# KiCad board modulo_seguidor-panel.kicad_pcb
title: (Panel)
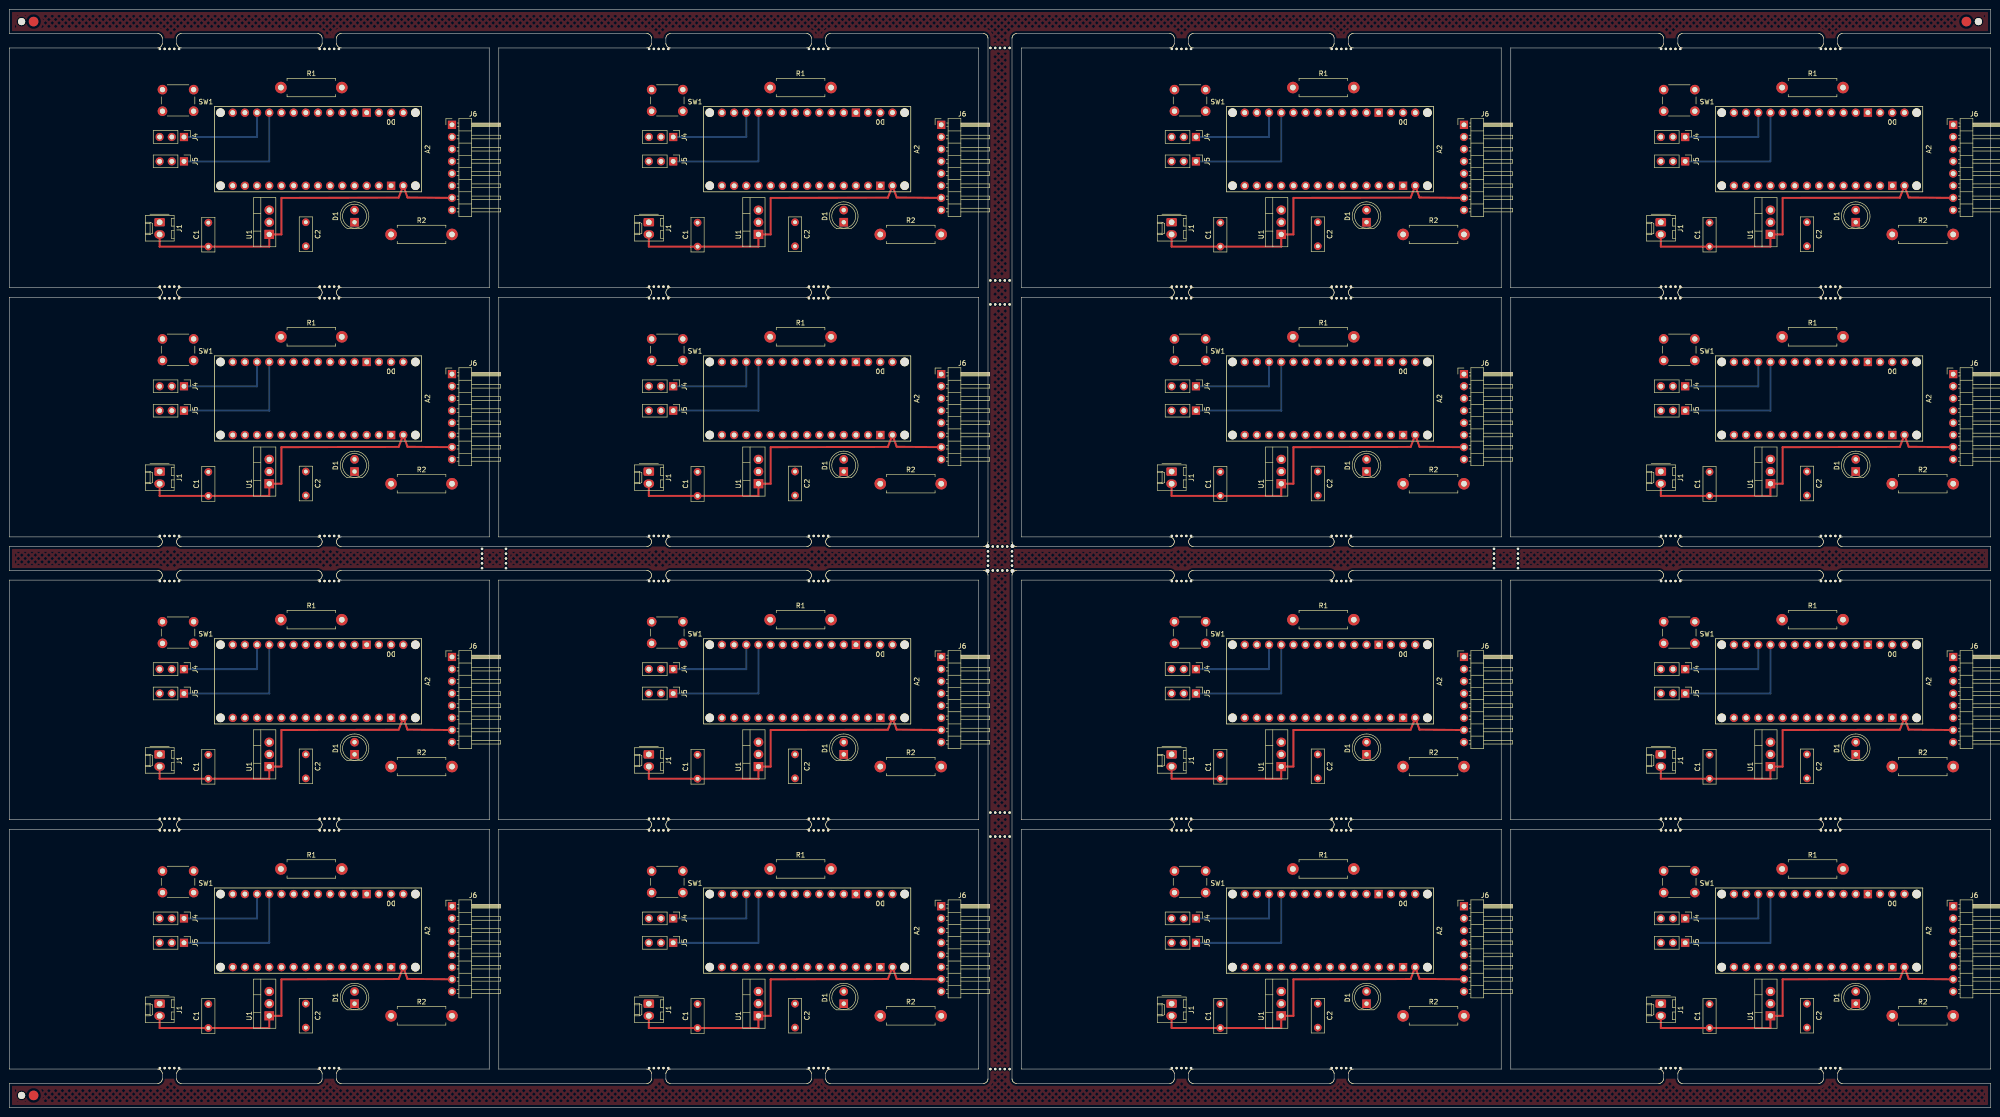
[diagram p0: board, top side]
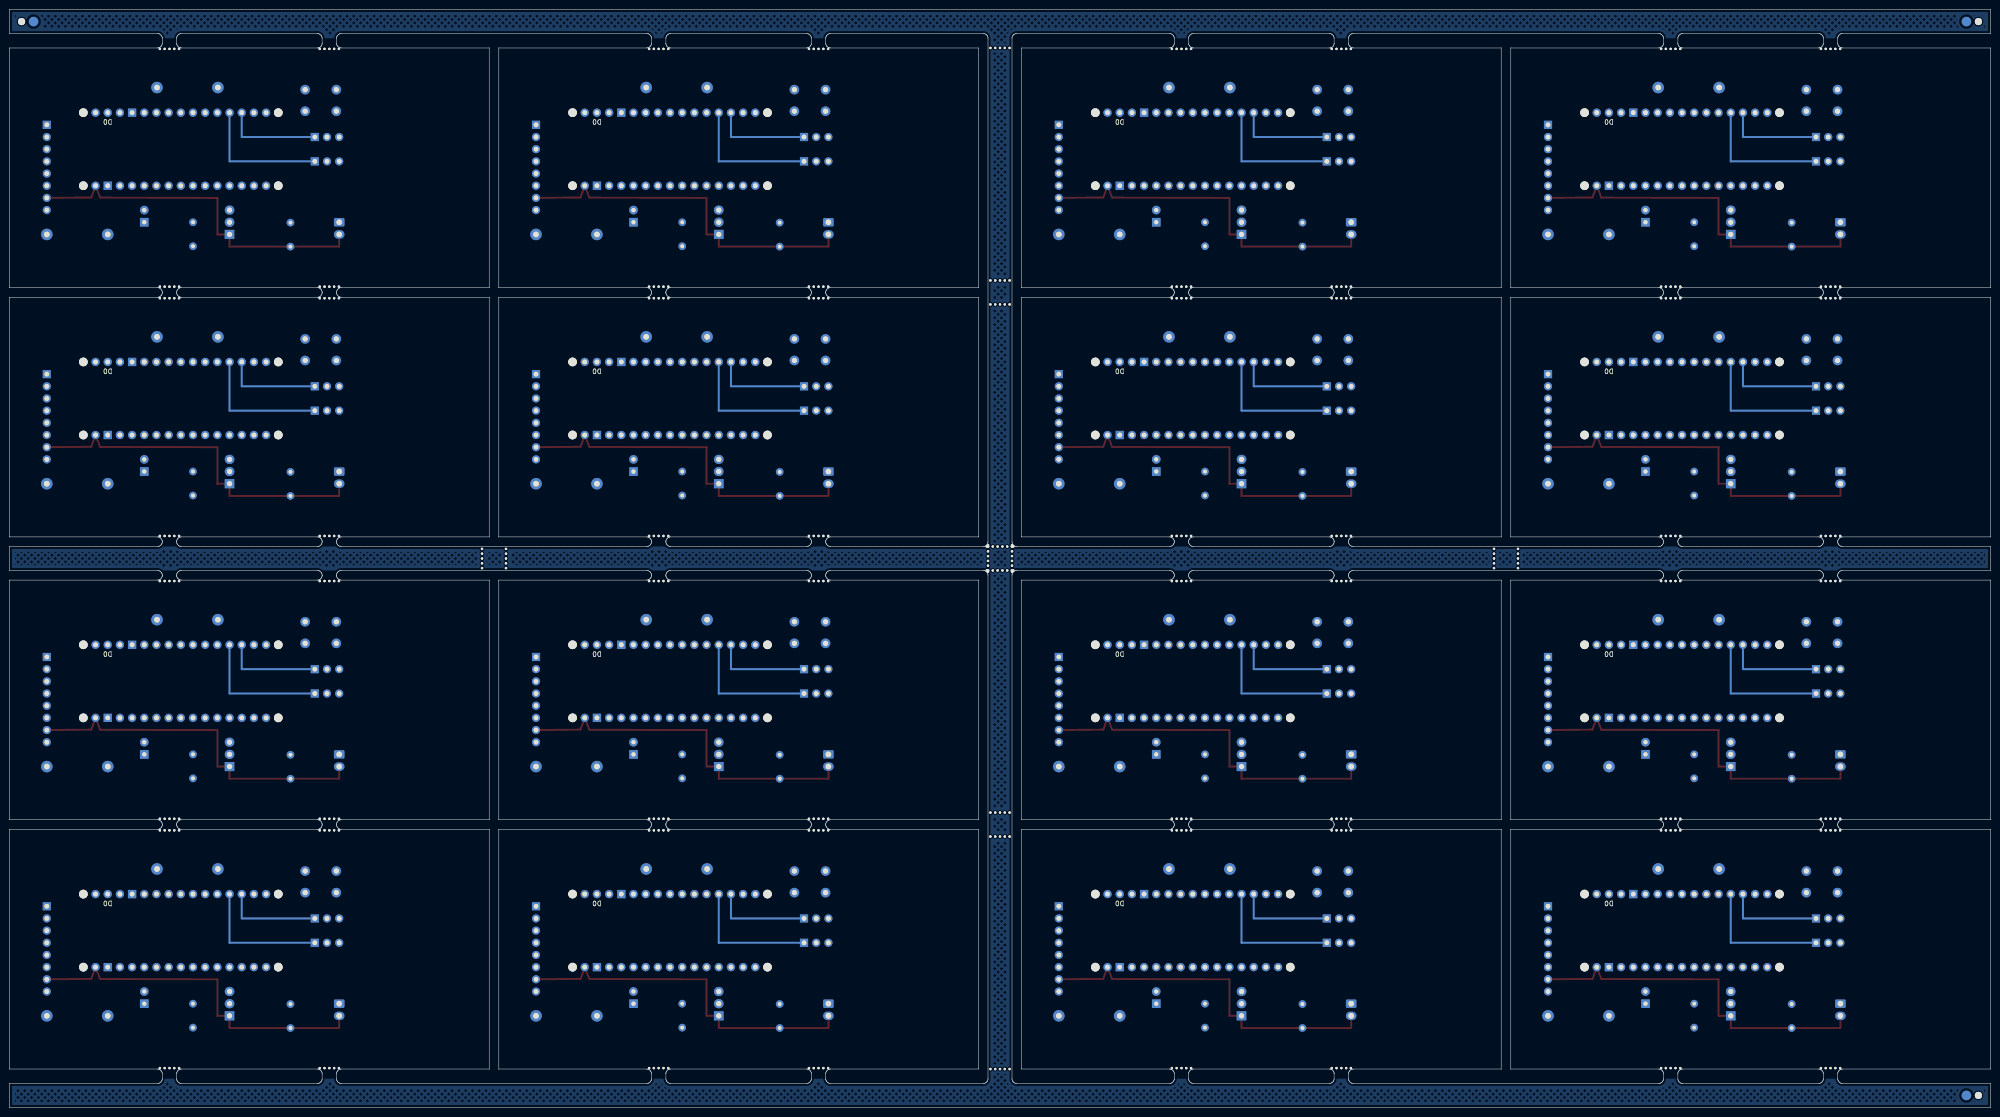
[diagram p1: board, bottom side, seen from below]

Outline 413 x 229 mm; copper layers: Top, In1.Cu, In2.Cu, In3.Cu, In4.Cu, In5.Cu, In6.Cu, In7.Cu, In8.Cu, In9.Cu, In10.Cu, Bottom. Coordinates in mm from the lower left corner of the outline.
Stack: Top 0.035mm / dielectric 0.1mm FR4 er 4.5 / In1.Cu 0.035mm / dielectric 0.112mm FR4 er 4.5 / In2.Cu 0.035mm / dielectric 0.1mm FR4 er 4.5 / In3.Cu 0.035mm / dielectric 0.112mm FR4 er 4.5 / In4.Cu 0.035mm / dielectric 0.1mm FR4 er 4.5 / In5.Cu 0.035mm / dielectric 0.112mm FR4 er 4.5 / In6.Cu 0.035mm / dielectric 0.1mm FR4 er 4.5 / In7.Cu 0.035mm / dielectric 0.112mm FR4 er 4.5 / In8.Cu 0.035mm / dielectric 0.1mm FR4 er 4.5 / In9.Cu 0.035mm / dielectric 0.112mm FR4 er 4.5 / In10.Cu 0.035mm / dielectric 0.1mm FR4 er 4.5 / Bottom 0.035mm

## Placement (name value [footprint] x y rotation side)
A2  -  [Arduino_Nano_Socket]  253.71 88.88 270 top
A2#2  -  [Arduino_Nano_Socket]  42.71 36.88 270 top
A2#3  -  [Arduino_Nano_Socket]  42.71 88.88 270 top
A2#4  -  [Arduino_Nano_Socket]  253.71 36.88 270 top
A2#5  -  [Arduino_Nano_Socket]  42.71 147.88 270 top
A2#6  -  [Arduino_Nano_Socket]  253.71 199.88 270 top
A2#7  -  [Arduino_Nano_Socket]  355.71 88.88 270 top
A2#8  -  [Arduino_Nano_Socket]  144.71 36.88 270 top
A2#9  -  [Arduino_Nano_Socket]  355.71 199.88 270 top
A2#10  -  [Arduino_Nano_Socket]  144.71 88.88 270 top
A2#11  -  [Arduino_Nano_Socket]  253.71 147.88 270 top
A2#12  -  [Arduino_Nano_Socket]  355.71 36.88 270 top
A2#13  -  [Arduino_Nano_Socket]  42.71 199.88 270 top
A2#14  -  [Arduino_Nano_Socket]  144.71 199.88 270 top
A2#15  -  [Arduino_Nano_Socket]  144.71 147.88 270 top
A2#16  -  [Arduino_Nano_Socket]  355.71 147.88 270 top
C1  1u  [C_Disc_D7.0mm_W2.5mm_P5.00mm]  252.44 68.56 90 top
C1#2  1u  [C_Disc_D7.0mm_W2.5mm_P5.00mm]  41.44 179.56 90 top
C1#3  1u  [C_Disc_D7.0mm_W2.5mm_P5.00mm]  252.44 179.56 90 top
C1#4  1u  [C_Disc_D7.0mm_W2.5mm_P5.00mm]  252.44 127.56 90 top
C1#5  1u  [C_Disc_D7.0mm_W2.5mm_P5.00mm]  143.44 179.56 90 top
C1#6  1u  [C_Disc_D7.0mm_W2.5mm_P5.00mm]  354.44 127.56 90 top
C1#7  1u  [C_Disc_D7.0mm_W2.5mm_P5.00mm]  354.44 68.56 90 top
C1#8  1u  [C_Disc_D7.0mm_W2.5mm_P5.00mm]  41.44 16.56 90 top
C1#9  1u  [C_Disc_D7.0mm_W2.5mm_P5.00mm]  143.44 127.56 90 top
C1#10  1u  [C_Disc_D7.0mm_W2.5mm_P5.00mm]  143.44 68.56 90 top
C1#11  1u  [C_Disc_D7.0mm_W2.5mm_P5.00mm]  41.44 127.56 90 top
C1#12  1u  [C_Disc_D7.0mm_W2.5mm_P5.00mm]  143.44 16.56 90 top
C1#13  1u  [C_Disc_D7.0mm_W2.5mm_P5.00mm]  354.44 179.56 90 top
C1#14  1u  [C_Disc_D7.0mm_W2.5mm_P5.00mm]  252.44 16.56 90 top
C1#15  1u  [C_Disc_D7.0mm_W2.5mm_P5.00mm]  41.44 68.56 90 top
C1#16  1u  [C_Disc_D7.0mm_W2.5mm_P5.00mm]  354.44 16.56 90 top
C2  1u  [C_Disc_D7.0mm_W2.5mm_P5.00mm]  374.76 184.64 270 top
C2#2  1u  [C_Disc_D7.0mm_W2.5mm_P5.00mm]  272.76 73.64 270 top
C2#3  1u  [C_Disc_D7.0mm_W2.5mm_P5.00mm]  374.76 132.64 270 top
C2#4  1u  [C_Disc_D7.0mm_W2.5mm_P5.00mm]  61.76 184.64 270 top
C2#5  1u  [C_Disc_D7.0mm_W2.5mm_P5.00mm]  163.76 184.64 270 top
C2#6  1u  [C_Disc_D7.0mm_W2.5mm_P5.00mm]  163.76 21.64 270 top
C2#7  1u  [C_Disc_D7.0mm_W2.5mm_P5.00mm]  163.76 73.64 270 top
C2#8  1u  [C_Disc_D7.0mm_W2.5mm_P5.00mm]  272.76 184.64 270 top
C2#9  1u  [C_Disc_D7.0mm_W2.5mm_P5.00mm]  272.76 132.64 270 top
C2#10  1u  [C_Disc_D7.0mm_W2.5mm_P5.00mm]  374.76 21.64 270 top
C2#11  1u  [C_Disc_D7.0mm_W2.5mm_P5.00mm]  374.76 73.64 270 top
C2#12  1u  [C_Disc_D7.0mm_W2.5mm_P5.00mm]  272.76 21.64 270 top
C2#13  1u  [C_Disc_D7.0mm_W2.5mm_P5.00mm]  163.76 132.64 270 top
C2#14  1u  [C_Disc_D7.0mm_W2.5mm_P5.00mm]  61.76 73.64 270 top
C2#15  1u  [C_Disc_D7.0mm_W2.5mm_P5.00mm]  61.76 132.64 270 top
C2#16  1u  [C_Disc_D7.0mm_W2.5mm_P5.00mm]  61.76 21.64 270 top
D1  LED  [LED_D5.0mm]  71.92 73.64 90 top
D1#2  LED  [LED_D5.0mm]  384.92 132.64 90 top
D1#3  LED  [LED_D5.0mm]  282.92 21.64 90 top
D1#4  LED  [LED_D5.0mm]  384.92 184.64 90 top
D1#5  LED  [LED_D5.0mm]  71.92 21.64 90 top
D1#6  LED  [LED_D5.0mm]  71.92 184.64 90 top
D1#7  LED  [LED_D5.0mm]  71.92 132.64 90 top
D1#8  LED  [LED_D5.0mm]  173.92 184.64 90 top
D1#9  LED  [LED_D5.0mm]  173.92 73.64 90 top
D1#10  LED  [LED_D5.0mm]  282.92 73.64 90 top
D1#11  LED  [LED_D5.0mm]  384.92 73.64 90 top
D1#12  LED  [LED_D5.0mm]  282.92 184.64 90 top
D1#13  LED  [LED_D5.0mm]  384.92 21.64 90 top
D1#14  LED  [LED_D5.0mm]  173.92 132.64 90 top
D1#15  LED  [LED_D5.0mm]  173.92 21.64 90 top
D1#16  LED  [LED_D5.0mm]  282.92 132.64 90 top
J1  Battery  [Molex_KK-254_AE-6410-02A_1x02_P2.54mm_Vertical]  133.28 21.64 270 top
J1#2  Battery  [Molex_KK-254_AE-6410-02A_1x02_P2.54mm_Vertical]  344.28 184.64 270 top
J1#3  Battery  [Molex_KK-254_AE-6410-02A_1x02_P2.54mm_Vertical]  31.28 21.64 270 top
J1#4  Battery  [Molex_KK-254_AE-6410-02A_1x02_P2.54mm_Vertical]  133.28 132.64 270 top
J1#5  Battery  [Molex_KK-254_AE-6410-02A_1x02_P2.54mm_Vertical]  242.28 73.64 270 top
J1#6  Battery  [Molex_KK-254_AE-6410-02A_1x02_P2.54mm_Vertical]  344.28 73.64 270 top
J1#7  Battery  [Molex_KK-254_AE-6410-02A_1x02_P2.54mm_Vertical]  31.28 73.64 270 top
J1#8  Battery  [Molex_KK-254_AE-6410-02A_1x02_P2.54mm_Vertical]  31.28 184.64 270 top
J1#9  Battery  [Molex_KK-254_AE-6410-02A_1x02_P2.54mm_Vertical]  31.28 132.64 270 top
J1#10  Battery  [Molex_KK-254_AE-6410-02A_1x02_P2.54mm_Vertical]  242.28 184.64 270 top
J1#11  Battery  [Molex_KK-254_AE-6410-02A_1x02_P2.54mm_Vertical]  242.28 21.64 270 top
J1#12  Battery  [Molex_KK-254_AE-6410-02A_1x02_P2.54mm_Vertical]  344.28 21.64 270 top
J1#13  Battery  [Molex_KK-254_AE-6410-02A_1x02_P2.54mm_Vertical]  133.28 184.64 270 top
J1#14  Battery  [Molex_KK-254_AE-6410-02A_1x02_P2.54mm_Vertical]  344.28 132.64 270 top
J1#15  Battery  [Molex_KK-254_AE-6410-02A_1x02_P2.54mm_Vertical]  242.28 132.64 270 top
J1#16  Battery  [Molex_KK-254_AE-6410-02A_1x02_P2.54mm_Vertical]  133.28 73.64 270 top
J4  Motor Izquierdo  [PinHeader_1x03_P2.54mm_Vertical]  36.36 91.42 270 top
J4#2  Motor Izquierdo  [PinHeader_1x03_P2.54mm_Vertical]  247.36 202.42 270 top
J4#3  Motor Izquierdo  [PinHeader_1x03_P2.54mm_Vertical]  36.36 39.42 270 top
J4#4  Motor Izquierdo  [PinHeader_1x03_P2.54mm_Vertical]  247.36 39.42 270 top
J4#5  Motor Izquierdo  [PinHeader_1x03_P2.54mm_Vertical]  247.36 91.42 270 top
J4#6  Motor Izquierdo  [PinHeader_1x03_P2.54mm_Vertical]  349.36 91.42 270 top
J4#7  Motor Izquierdo  [PinHeader_1x03_P2.54mm_Vertical]  349.36 39.42 270 top
J4#8  Motor Izquierdo  [PinHeader_1x03_P2.54mm_Vertical]  138.36 91.42 270 top
J4#9  Motor Izquierdo  [PinHeader_1x03_P2.54mm_Vertical]  138.36 39.42 270 top
J4#10  Motor Izquierdo  [PinHeader_1x03_P2.54mm_Vertical]  36.36 150.42 270 top
J4#11  Motor Izquierdo  [PinHeader_1x03_P2.54mm_Vertical]  349.36 202.42 270 top
J4#12  Motor Izquierdo  [PinHeader_1x03_P2.54mm_Vertical]  349.36 150.42 270 top
J4#13  Motor Izquierdo  [PinHeader_1x03_P2.54mm_Vertical]  36.36 202.42 270 top
J4#14  Motor Izquierdo  [PinHeader_1x03_P2.54mm_Vertical]  138.36 150.42 270 top
J4#15  Motor Izquierdo  [PinHeader_1x03_P2.54mm_Vertical]  247.36 150.42 270 top
J4#16  Motor Izquierdo  [PinHeader_1x03_P2.54mm_Vertical]  138.36 202.42 270 top
J5  Motor Derecho  [PinHeader_1x03_P2.54mm_Vertical]  138.36 145.34 270 top
J5#2  Motor Derecho  [PinHeader_1x03_P2.54mm_Vertical]  247.36 145.34 270 top
J5#3  Motor Derecho  [PinHeader_1x03_P2.54mm_Vertical]  349.36 34.34 270 top
J5#4  Motor Derecho  [PinHeader_1x03_P2.54mm_Vertical]  138.36 197.34 270 top
J5#5  Motor Derecho  [PinHeader_1x03_P2.54mm_Vertical]  349.36 86.34 270 top
J5#6  Motor Derecho  [PinHeader_1x03_P2.54mm_Vertical]  247.36 197.34 270 top
J5#7  Motor Derecho  [PinHeader_1x03_P2.54mm_Vertical]  247.36 34.34 270 top
J5#8  Motor Derecho  [PinHeader_1x03_P2.54mm_Vertical]  36.36 197.34 270 top
J5#9  Motor Derecho  [PinHeader_1x03_P2.54mm_Vertical]  36.36 34.34 270 top
J5#10  Motor Derecho  [PinHeader_1x03_P2.54mm_Vertical]  36.36 86.34 270 top
J5#11  Motor Derecho  [PinHeader_1x03_P2.54mm_Vertical]  247.36 86.34 270 top
J5#12  Motor Derecho  [PinHeader_1x03_P2.54mm_Vertical]  349.36 145.34 270 top
J5#13  Motor Derecho  [PinHeader_1x03_P2.54mm_Vertical]  349.36 197.34 270 top
J5#14  Motor Derecho  [PinHeader_1x03_P2.54mm_Vertical]  138.36 86.34 270 top
J5#15  Motor Derecho  [PinHeader_1x03_P2.54mm_Vertical]  138.36 34.34 270 top
J5#16  Motor Derecho  [PinHeader_1x03_P2.54mm_Vertical]  36.36 145.34 270 top
J6  puerto sensores  [PinHeader_1x08_P2.54mm_Horizontal]  194.24 204.96 0 top
J6#2  puerto sensores  [PinHeader_1x08_P2.54mm_Horizontal]  92.24 93.96 0 top
J6#3  puerto sensores  [PinHeader_1x08_P2.54mm_Horizontal]  303.24 93.96 0 top
J6#4  puerto sensores  [PinHeader_1x08_P2.54mm_Horizontal]  405.24 152.96 0 top
J6#5  puerto sensores  [PinHeader_1x08_P2.54mm_Horizontal]  194.24 152.96 0 top
J6#6  puerto sensores  [PinHeader_1x08_P2.54mm_Horizontal]  194.24 41.96 0 top
J6#7  puerto sensores  [PinHeader_1x08_P2.54mm_Horizontal]  303.24 41.96 0 top
J6#8  puerto sensores  [PinHeader_1x08_P2.54mm_Horizontal]  303.24 152.96 0 top
J6#9  puerto sensores  [PinHeader_1x08_P2.54mm_Horizontal]  303.24 204.96 0 top
J6#10  puerto sensores  [PinHeader_1x08_P2.54mm_Horizontal]  194.24 93.96 0 top
J6#11  puerto sensores  [PinHeader_1x08_P2.54mm_Horizontal]  405.24 204.96 0 top
J6#12  puerto sensores  [PinHeader_1x08_P2.54mm_Horizontal]  92.24 152.96 0 top
J6#13  puerto sensores  [PinHeader_1x08_P2.54mm_Horizontal]  92.24 204.96 0 top
J6#14  puerto sensores  [PinHeader_1x08_P2.54mm_Horizontal]  405.24 93.96 0 top
J6#15  puerto sensores  [PinHeader_1x08_P2.54mm_Horizontal]  405.24 41.96 0 top
J6#16  puerto sensores  [PinHeader_1x08_P2.54mm_Horizontal]  92.24 41.96 0 top
KiKit_FID_B_1  -  [Fiducial]  5 226.5 180 bottom
KiKit_FID_B_2  -  [Fiducial]  408 226.5 180 bottom
KiKit_FID_B_3  -  [Fiducial]  5 2.5 180 bottom
KiKit_FID_T_1  -  [Fiducial]  5 226.5 0 top
KiKit_FID_T_2  -  [Fiducial]  408 226.5 0 top
KiKit_FID_T_3  -  [Fiducial]  5 2.5 0 top
KiKit_MB_1_1  -  [NPTH]  31.33 220.8 0 top
KiKit_MB_1_2  -  [NPTH]  32.33 220.8 0 top
KiKit_MB_1_3  -  [NPTH]  33.33 220.8 0 top
KiKit_MB_1_4  -  [NPTH]  34.33 220.8 0 top
KiKit_MB_1_5  -  [NPTH]  35.33 220.8 0 top
KiKit_MB_2_1  -  [NPTH]  64.67 220.8 0 top
KiKit_MB_2_2  -  [NPTH]  65.67 220.8 0 top
KiKit_MB_2_3  -  [NPTH]  66.67 220.8 0 top
KiKit_MB_2_4  -  [NPTH]  67.67 220.8 0 top
KiKit_MB_2_5  -  [NPTH]  68.67 220.8 0 top
KiKit_MB_3_1  -  [NPTH]  35.33 171.2 0 top
KiKit_MB_3_2  -  [NPTH]  34.33 171.2 0 top
KiKit_MB_3_3  -  [NPTH]  33.33 171.2 0 top
KiKit_MB_3_4  -  [NPTH]  32.33 171.2 0 top
KiKit_MB_3_5  -  [NPTH]  31.33 171.2 0 top
KiKit_MB_4_1  -  [NPTH]  68.67 171.2 0 top
KiKit_MB_4_2  -  [NPTH]  67.67 171.2 0 top
KiKit_MB_4_3  -  [NPTH]  66.67 171.2 0 top
KiKit_MB_4_4  -  [NPTH]  65.67 171.2 0 top
KiKit_MB_4_5  -  [NPTH]  64.67 171.2 0 top
KiKit_MB_5_1  -  [NPTH]  133.33 220.8 0 top
KiKit_MB_5_2  -  [NPTH]  134.33 220.8 0 top
KiKit_MB_5_3  -  [NPTH]  135.33 220.8 0 top
KiKit_MB_5_4  -  [NPTH]  136.33 220.8 0 top
KiKit_MB_5_5  -  [NPTH]  137.33 220.8 0 top
KiKit_MB_6_1  -  [NPTH]  166.67 220.8 0 top
KiKit_MB_6_2  -  [NPTH]  167.67 220.8 0 top
KiKit_MB_6_3  -  [NPTH]  168.67 220.8 0 top
KiKit_MB_6_4  -  [NPTH]  169.67 220.8 0 top
KiKit_MB_6_5  -  [NPTH]  170.67 220.8 0 top
KiKit_MB_7_1  -  [NPTH]  137.33 171.2 0 top
KiKit_MB_7_2  -  [NPTH]  136.33 171.2 0 top
KiKit_MB_7_3  -  [NPTH]  135.33 171.2 0 top
KiKit_MB_7_4  -  [NPTH]  134.33 171.2 0 top
KiKit_MB_7_5  -  [NPTH]  133.33 171.2 0 top
KiKit_MB_8_1  -  [NPTH]  170.67 171.2 0 top
KiKit_MB_8_2  -  [NPTH]  169.67 171.2 0 top
KiKit_MB_8_3  -  [NPTH]  168.67 171.2 0 top
KiKit_MB_8_4  -  [NPTH]  167.67 171.2 0 top
KiKit_MB_8_5  -  [NPTH]  166.67 171.2 0 top
KiKit_MB_9_1  -  [NPTH]  242.33 220.8 0 top
KiKit_MB_9_2  -  [NPTH]  243.33 220.8 0 top
KiKit_MB_9_3  -  [NPTH]  244.33 220.8 0 top
KiKit_MB_9_4  -  [NPTH]  245.33 220.8 0 top
KiKit_MB_9_5  -  [NPTH]  246.33 220.8 0 top
KiKit_MB_10_1  -  [NPTH]  275.67 220.8 0 top
KiKit_MB_10_2  -  [NPTH]  276.67 220.8 0 top
KiKit_MB_10_3  -  [NPTH]  277.67 220.8 0 top
KiKit_MB_10_4  -  [NPTH]  278.67 220.8 0 top
KiKit_MB_10_5  -  [NPTH]  279.67 220.8 0 top
KiKit_MB_11_1  -  [NPTH]  246.33 171.2 0 top
KiKit_MB_11_2  -  [NPTH]  245.33 171.2 0 top
KiKit_MB_11_3  -  [NPTH]  244.33 171.2 0 top
KiKit_MB_11_4  -  [NPTH]  243.33 171.2 0 top
KiKit_MB_11_5  -  [NPTH]  242.33 171.2 0 top
KiKit_MB_12_1  -  [NPTH]  279.67 171.2 0 top
KiKit_MB_12_2  -  [NPTH]  278.67 171.2 0 top
KiKit_MB_12_3  -  [NPTH]  277.67 171.2 0 top
KiKit_MB_12_4  -  [NPTH]  276.67 171.2 0 top
KiKit_MB_12_5  -  [NPTH]  275.67 171.2 0 top
KiKit_MB_13_1  -  [NPTH]  344.33 220.8 0 top
KiKit_MB_13_2  -  [NPTH]  345.33 220.8 0 top
KiKit_MB_13_3  -  [NPTH]  346.33 220.8 0 top
KiKit_MB_13_4  -  [NPTH]  347.33 220.8 0 top
KiKit_MB_13_5  -  [NPTH]  348.33 220.8 0 top
KiKit_MB_14_1  -  [NPTH]  377.67 220.8 0 top
KiKit_MB_14_2  -  [NPTH]  378.67 220.8 0 top
KiKit_MB_14_3  -  [NPTH]  379.67 220.8 0 top
KiKit_MB_14_4  -  [NPTH]  380.67 220.8 0 top
KiKit_MB_14_5  -  [NPTH]  381.67 220.8 0 top
KiKit_MB_15_1  -  [NPTH]  348.33 171.2 0 top
KiKit_MB_15_2  -  [NPTH]  347.33 171.2 0 top
KiKit_MB_15_3  -  [NPTH]  346.33 171.2 0 top
KiKit_MB_15_4  -  [NPTH]  345.33 171.2 0 top
KiKit_MB_15_5  -  [NPTH]  344.33 171.2 0 top
KiKit_MB_16_1  -  [NPTH]  381.67 171.2 0 top
KiKit_MB_16_2  -  [NPTH]  380.67 171.2 0 top
KiKit_MB_16_3  -  [NPTH]  379.67 171.2 0 top
KiKit_MB_16_4  -  [NPTH]  378.67 171.2 0 top
KiKit_MB_16_5  -  [NPTH]  377.67 171.2 0 top
KiKit_MB_17_1  -  [NPTH]  31.33 168.8 0 top
KiKit_MB_17_2  -  [NPTH]  32.33 168.8 0 top
KiKit_MB_17_3  -  [NPTH]  33.33 168.8 0 top
KiKit_MB_17_4  -  [NPTH]  34.33 168.8 0 top
KiKit_MB_17_5  -  [NPTH]  35.33 168.8 0 top
KiKit_MB_18_1  -  [NPTH]  64.67 168.8 0 top
KiKit_MB_18_2  -  [NPTH]  65.67 168.8 0 top
KiKit_MB_18_3  -  [NPTH]  66.67 168.8 0 top
KiKit_MB_18_4  -  [NPTH]  67.67 168.8 0 top
KiKit_MB_18_5  -  [NPTH]  68.67 168.8 0 top
KiKit_MB_19_1  -  [NPTH]  35.33 119.2 0 top
KiKit_MB_19_2  -  [NPTH]  34.33 119.2 0 top
KiKit_MB_19_3  -  [NPTH]  33.33 119.2 0 top
KiKit_MB_19_4  -  [NPTH]  32.33 119.2 0 top
KiKit_MB_19_5  -  [NPTH]  31.33 119.2 0 top
KiKit_MB_20_1  -  [NPTH]  68.67 119.2 0 top
KiKit_MB_20_2  -  [NPTH]  67.67 119.2 0 top
KiKit_MB_20_3  -  [NPTH]  66.67 119.2 0 top
KiKit_MB_20_4  -  [NPTH]  65.67 119.2 0 top
KiKit_MB_20_5  -  [NPTH]  64.67 119.2 0 top
KiKit_MB_21_1  -  [NPTH]  133.33 168.8 0 top
KiKit_MB_21_2  -  [NPTH]  134.33 168.8 0 top
KiKit_MB_21_3  -  [NPTH]  135.33 168.8 0 top
KiKit_MB_21_4  -  [NPTH]  136.33 168.8 0 top
KiKit_MB_21_5  -  [NPTH]  137.33 168.8 0 top
KiKit_MB_22_1  -  [NPTH]  166.67 168.8 0 top
KiKit_MB_22_2  -  [NPTH]  167.67 168.8 0 top
KiKit_MB_22_3  -  [NPTH]  168.67 168.8 0 top
KiKit_MB_22_4  -  [NPTH]  169.67 168.8 0 top
KiKit_MB_22_5  -  [NPTH]  170.67 168.8 0 top
KiKit_MB_23_1  -  [NPTH]  137.33 119.2 0 top
KiKit_MB_23_2  -  [NPTH]  136.33 119.2 0 top
KiKit_MB_23_3  -  [NPTH]  135.33 119.2 0 top
KiKit_MB_23_4  -  [NPTH]  134.33 119.2 0 top
KiKit_MB_23_5  -  [NPTH]  133.33 119.2 0 top
KiKit_MB_24_1  -  [NPTH]  170.67 119.2 0 top
KiKit_MB_24_2  -  [NPTH]  169.67 119.2 0 top
KiKit_MB_24_3  -  [NPTH]  168.67 119.2 0 top
KiKit_MB_24_4  -  [NPTH]  167.67 119.2 0 top
KiKit_MB_24_5  -  [NPTH]  166.67 119.2 0 top
KiKit_MB_25_1  -  [NPTH]  242.33 168.8 0 top
KiKit_MB_25_2  -  [NPTH]  243.33 168.8 0 top
KiKit_MB_25_3  -  [NPTH]  244.33 168.8 0 top
KiKit_MB_25_4  -  [NPTH]  245.33 168.8 0 top
KiKit_MB_25_5  -  [NPTH]  246.33 168.8 0 top
KiKit_MB_26_1  -  [NPTH]  275.67 168.8 0 top
KiKit_MB_26_2  -  [NPTH]  276.67 168.8 0 top
KiKit_MB_26_3  -  [NPTH]  277.67 168.8 0 top
KiKit_MB_26_4  -  [NPTH]  278.67 168.8 0 top
KiKit_MB_26_5  -  [NPTH]  279.67 168.8 0 top
KiKit_MB_27_1  -  [NPTH]  246.33 119.2 0 top
KiKit_MB_27_2  -  [NPTH]  245.33 119.2 0 top
KiKit_MB_27_3  -  [NPTH]  244.33 119.2 0 top
KiKit_MB_27_4  -  [NPTH]  243.33 119.2 0 top
KiKit_MB_27_5  -  [NPTH]  242.33 119.2 0 top
KiKit_MB_28_1  -  [NPTH]  279.67 119.2 0 top
KiKit_MB_28_2  -  [NPTH]  278.67 119.2 0 top
KiKit_MB_28_3  -  [NPTH]  277.67 119.2 0 top
KiKit_MB_28_4  -  [NPTH]  276.67 119.2 0 top
KiKit_MB_28_5  -  [NPTH]  275.67 119.2 0 top
KiKit_MB_29_1  -  [NPTH]  344.33 168.8 0 top
KiKit_MB_29_2  -  [NPTH]  345.33 168.8 0 top
KiKit_MB_29_3  -  [NPTH]  346.33 168.8 0 top
KiKit_MB_29_4  -  [NPTH]  347.33 168.8 0 top
KiKit_MB_29_5  -  [NPTH]  348.33 168.8 0 top
KiKit_MB_30_1  -  [NPTH]  377.67 168.8 0 top
KiKit_MB_30_2  -  [NPTH]  378.67 168.8 0 top
KiKit_MB_30_3  -  [NPTH]  379.67 168.8 0 top
KiKit_MB_30_4  -  [NPTH]  380.67 168.8 0 top
KiKit_MB_30_5  -  [NPTH]  381.67 168.8 0 top
KiKit_MB_31_1  -  [NPTH]  348.33 119.2 0 top
KiKit_MB_31_2  -  [NPTH]  347.33 119.2 0 top
KiKit_MB_31_3  -  [NPTH]  346.33 119.2 0 top
KiKit_MB_31_4  -  [NPTH]  345.33 119.2 0 top
KiKit_MB_31_5  -  [NPTH]  344.33 119.2 0 top
KiKit_MB_32_1  -  [NPTH]  381.67 119.2 0 top
KiKit_MB_32_2  -  [NPTH]  380.67 119.2 0 top
KiKit_MB_32_3  -  [NPTH]  379.67 119.2 0 top
KiKit_MB_32_4  -  [NPTH]  378.67 119.2 0 top
KiKit_MB_32_5  -  [NPTH]  377.67 119.2 0 top
KiKit_MB_33_1  -  [NPTH]  31.33 109.8 0 top
KiKit_MB_33_2  -  [NPTH]  32.33 109.8 0 top
KiKit_MB_33_3  -  [NPTH]  33.33 109.8 0 top
KiKit_MB_33_4  -  [NPTH]  34.33 109.8 0 top
KiKit_MB_33_5  -  [NPTH]  35.33 109.8 0 top
KiKit_MB_34_1  -  [NPTH]  64.67 109.8 0 top
KiKit_MB_34_2  -  [NPTH]  65.67 109.8 0 top
KiKit_MB_34_3  -  [NPTH]  66.67 109.8 0 top
KiKit_MB_34_4  -  [NPTH]  67.67 109.8 0 top
KiKit_MB_34_5  -  [NPTH]  68.67 109.8 0 top
KiKit_MB_35_1  -  [NPTH]  35.33 60.2 0 top
KiKit_MB_35_2  -  [NPTH]  34.33 60.2 0 top
KiKit_MB_35_3  -  [NPTH]  33.33 60.2 0 top
KiKit_MB_35_4  -  [NPTH]  32.33 60.2 0 top
KiKit_MB_35_5  -  [NPTH]  31.33 60.2 0 top
KiKit_MB_36_1  -  [NPTH]  68.67 60.2 0 top
KiKit_MB_36_2  -  [NPTH]  67.67 60.2 0 top
KiKit_MB_36_3  -  [NPTH]  66.67 60.2 0 top
KiKit_MB_36_4  -  [NPTH]  65.67 60.2 0 top
KiKit_MB_36_5  -  [NPTH]  64.67 60.2 0 top
KiKit_MB_37_1  -  [NPTH]  133.33 109.8 0 top
KiKit_MB_37_2  -  [NPTH]  134.33 109.8 0 top
KiKit_MB_37_3  -  [NPTH]  135.33 109.8 0 top
KiKit_MB_37_4  -  [NPTH]  136.33 109.8 0 top
KiKit_MB_37_5  -  [NPTH]  137.33 109.8 0 top
KiKit_MB_38_1  -  [NPTH]  166.67 109.8 0 top
KiKit_MB_38_2  -  [NPTH]  167.67 109.8 0 top
KiKit_MB_38_3  -  [NPTH]  168.67 109.8 0 top
KiKit_MB_38_4  -  [NPTH]  169.67 109.8 0 top
KiKit_MB_38_5  -  [NPTH]  170.67 109.8 0 top
KiKit_MB_39_1  -  [NPTH]  137.33 60.2 0 top
KiKit_MB_39_2  -  [NPTH]  136.33 60.2 0 top
KiKit_MB_39_3  -  [NPTH]  135.33 60.2 0 top
KiKit_MB_39_4  -  [NPTH]  134.33 60.2 0 top
KiKit_MB_39_5  -  [NPTH]  133.33 60.2 0 top
KiKit_MB_40_1  -  [NPTH]  170.67 60.2 0 top
KiKit_MB_40_2  -  [NPTH]  169.67 60.2 0 top
KiKit_MB_40_3  -  [NPTH]  168.67 60.2 0 top
KiKit_MB_40_4  -  [NPTH]  167.67 60.2 0 top
KiKit_MB_40_5  -  [NPTH]  166.67 60.2 0 top
KiKit_MB_41_1  -  [NPTH]  242.33 109.8 0 top
KiKit_MB_41_2  -  [NPTH]  243.33 109.8 0 top
KiKit_MB_41_3  -  [NPTH]  244.33 109.8 0 top
KiKit_MB_41_4  -  [NPTH]  245.33 109.8 0 top
KiKit_MB_41_5  -  [NPTH]  246.33 109.8 0 top
KiKit_MB_42_1  -  [NPTH]  275.67 109.8 0 top
KiKit_MB_42_2  -  [NPTH]  276.67 109.8 0 top
KiKit_MB_42_3  -  [NPTH]  277.67 109.8 0 top
KiKit_MB_42_4  -  [NPTH]  278.67 109.8 0 top
KiKit_MB_42_5  -  [NPTH]  279.67 109.8 0 top
KiKit_MB_43_1  -  [NPTH]  246.33 60.2 0 top
KiKit_MB_43_2  -  [NPTH]  245.33 60.2 0 top
KiKit_MB_43_3  -  [NPTH]  244.33 60.2 0 top
KiKit_MB_43_4  -  [NPTH]  243.33 60.2 0 top
KiKit_MB_43_5  -  [NPTH]  242.33 60.2 0 top
KiKit_MB_44_1  -  [NPTH]  279.67 60.2 0 top
KiKit_MB_44_2  -  [NPTH]  278.67 60.2 0 top
KiKit_MB_44_3  -  [NPTH]  277.67 60.2 0 top
KiKit_MB_44_4  -  [NPTH]  276.67 60.2 0 top
KiKit_MB_44_5  -  [NPTH]  275.67 60.2 0 top
KiKit_MB_45_1  -  [NPTH]  344.33 109.8 0 top
KiKit_MB_45_2  -  [NPTH]  345.33 109.8 0 top
KiKit_MB_45_3  -  [NPTH]  346.33 109.8 0 top
KiKit_MB_45_4  -  [NPTH]  347.33 109.8 0 top
KiKit_MB_45_5  -  [NPTH]  348.33 109.8 0 top
KiKit_MB_46_1  -  [NPTH]  377.67 109.8 0 top
KiKit_MB_46_2  -  [NPTH]  378.67 109.8 0 top
KiKit_MB_46_3  -  [NPTH]  379.67 109.8 0 top
KiKit_MB_46_4  -  [NPTH]  380.67 109.8 0 top
KiKit_MB_46_5  -  [NPTH]  381.67 109.8 0 top
KiKit_MB_47_1  -  [NPTH]  348.33 60.2 0 top
KiKit_MB_47_2  -  [NPTH]  347.33 60.2 0 top
KiKit_MB_47_3  -  [NPTH]  346.33 60.2 0 top
KiKit_MB_47_4  -  [NPTH]  345.33 60.2 0 top
KiKit_MB_47_5  -  [NPTH]  344.33 60.2 0 top
KiKit_MB_48_1  -  [NPTH]  381.67 60.2 0 top
KiKit_MB_48_2  -  [NPTH]  380.67 60.2 0 top
KiKit_MB_48_3  -  [NPTH]  379.67 60.2 0 top
KiKit_MB_48_4  -  [NPTH]  378.67 60.2 0 top
KiKit_MB_48_5  -  [NPTH]  377.67 60.2 0 top
KiKit_MB_49_1  -  [NPTH]  31.33 57.8 0 top
KiKit_MB_49_2  -  [NPTH]  32.33 57.8 0 top
KiKit_MB_49_3  -  [NPTH]  33.33 57.8 0 top
KiKit_MB_49_4  -  [NPTH]  34.33 57.8 0 top
KiKit_MB_49_5  -  [NPTH]  35.33 57.8 0 top
KiKit_MB_50_1  -  [NPTH]  64.67 57.8 0 top
KiKit_MB_50_2  -  [NPTH]  65.67 57.8 0 top
KiKit_MB_50_3  -  [NPTH]  66.67 57.8 0 top
KiKit_MB_50_4  -  [NPTH]  67.67 57.8 0 top